# Altium PCB COEX PIX.pcbdoc (part 1 of 2) (continued)
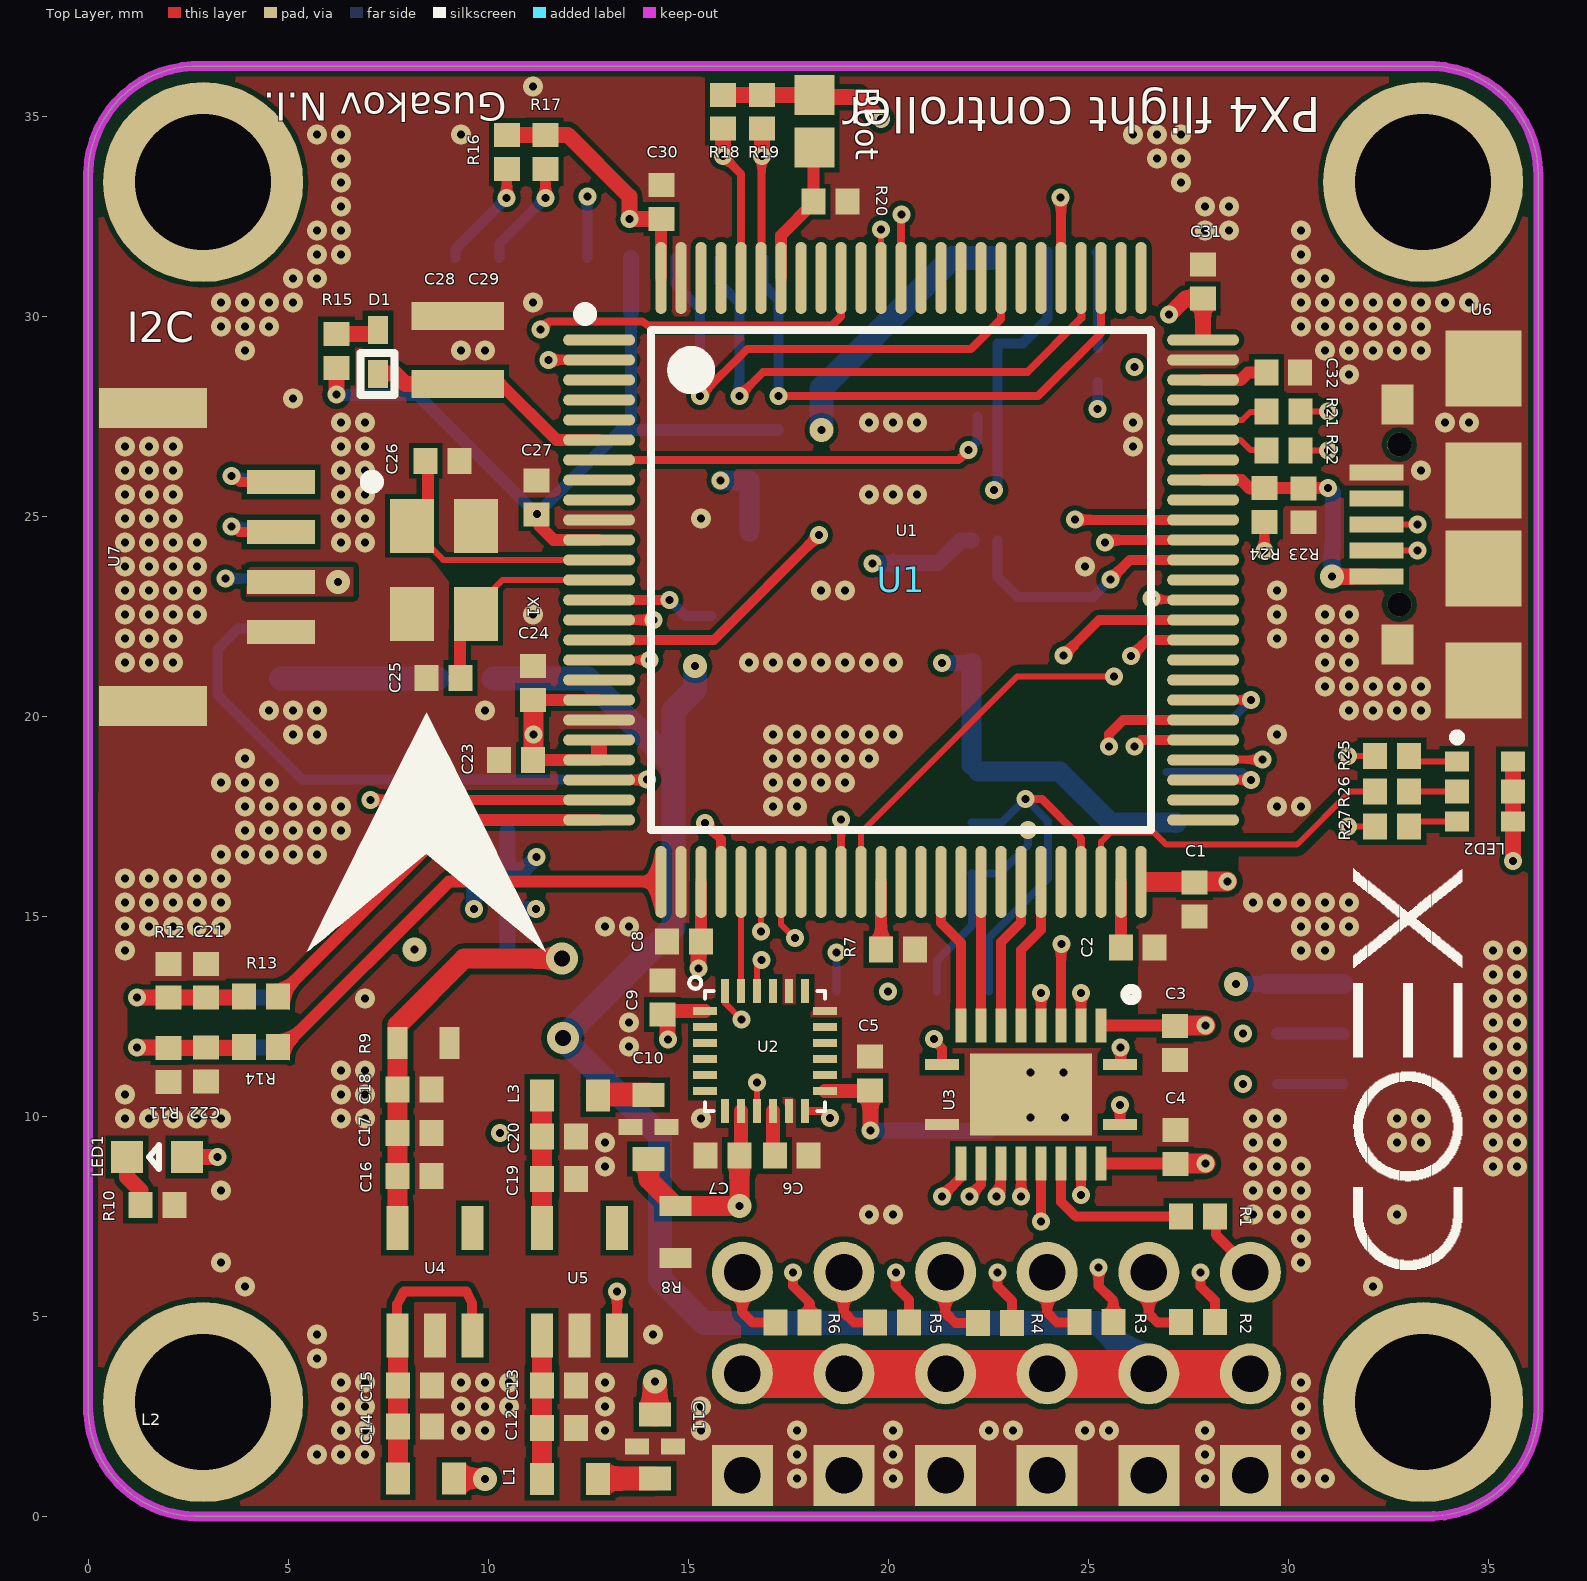
[diagram p0: Top Layer view]
## Components (designator, comment, footprint, x,y, rotation, side; value= is the part's Value field where it differs from the comment)
C1 "100nf" "0402 DOCSILK" 27.661,15.421 r90 top (schematic designator 0402)
C2 "10uf" "0402 DOCSILK" 26.243,14.225 r180 top (schematic designator 0402)
C3 "100nf" "0402 DOCSILK" 27.175,11.838 r270 top (schematic designator 0402)
C4 "100nf" "0402 DOCSILK" 27.183,9.236 r270 top (schematic designator 0402)
C5 "100nf" "0402 DOCSILK" 19.547,11.075 r90 top (schematic designator 0402)
C6 "100nf" "0402 DOCSILK" 17.592,9.024 r180 top (schematic designator 0402)
C7 "10nf" "0402 DOCSILK" 15.863,9.024 r180 top (schematic designator 0402)
C8 "100nf" "0402 DOCSILK" 14.894,14.369 r0 top (schematic designator 0402)
C9 "100nf" "0402 DOCSILK" 14.359,12.972 r90 top (schematic designator 0402)
C10 "NFM18" NFM18PC225B0J3#1 13.611,8.638 r90 top (schematic designator L6)
C11 "NFM18" NFM18PC225B0J3#2 14.571,2.85 r270 top (schematic designator L2)
C12 "10uf" "0402 DOCSILK" 11.772,2.213 r180 top (schematic designator 0402)
C13 "100nf" "0402 DOCSILK" 11.772,3.276 r180 top (schematic designator 0402)
C14 "10uf" "0402 DOCSILK" 8.169,2.252 r0 top (schematic designator 0402)
C15 "100nf" "0402 DOCSILK" 8.169,3.276 r0 top (schematic designator 0402)
C16 "100nf" "0402 DOCSILK" 8.163,8.511 r0 top (schematic designator 0402)
C17 "4.7uf" "0402 DOCSILK" 8.163,9.582 r0 top (schematic designator 0402)
C18 "10uf" "0402 DOCSILK" 8.163,10.67 r0 top (schematic designator 0402)
C19 "100nf" "0402 DOCSILK" 11.775,8.437 r180 top (schematic designator 0402)
C20 "10uf" "0402 DOCSILK" 11.775,9.493 r180 top (schematic designator 0402)
C21 "100nf" "0402 DOCSILK" 2.952,13.391 r90 top (schematic designator 0402)
C22 "100nf" "0402 DOCSILK" 2.952,11.298 r90 top (schematic designator 0402)
C23 "100nf" "0402 DOCSILK" 10.7,18.907 r0 top (schematic designator 0402)
C24 "100nf" "0402 DOCSILK" 11.125,20.83 r90 top (schematic designator 0402)
C25 "12pf" "0402 DOCSILK" 8.89,20.957 r180 top (schematic designator 0402)
C26 "12pf" "0402 DOCSILK" 8.866,26.391 r0 top (schematic designator 0402)
C27 "100nf" "0402 DOCSILK" 11.206,25.478 r270 top (schematic designator 0402)
C28 "47uf" 0805#1 8.685,29.063 r90 top (schematic designator 0805)
C29 "47uf" 0805#1 9.794,29.062 r90 top (schematic designator 0805)
C30 "100nf" "0402 DOCSILK" 14.337,32.863 r90 top (schematic designator 0402)
C31 "100nf" "0402 DOCSILK" 27.868,30.871 r90 top (schematic designator 0402)
C32 "10uf" "0402 DOCSILK" 29.88,28.596 r180 top (schematic designator 0402)
C33 "10uf" "0402 DOCSILK" 29.464,13.718 r270 bottom (schematic designator 0402)
C34 "100nf" "0402 DOCSILK" 22.525,9.208 r270 bottom (schematic designator 0402)
C35 "10uf" "0402 DOCSILK" 21.415,9.208 r270 bottom (schematic designator 0402)
C36 "47uf" 0805#2 9.845,8.95 r0 bottom (schematic designator 0805)
C37 "47uf" 0805#2 6.731,8.191 r270 bottom (schematic designator 0805)
C38 "47uf" 0805#2 6.731,5.093 r270 bottom (schematic designator 0805)
C39 "10uf" "0402 DOCSILK" 11.216,21.374 r270 bottom (schematic designator 0402)
C40 "100nf" "0402 DOCSILK" 7.515,20.522 r270 bottom (schematic designator 0402)
C41 "10uf" "0402 DOCSILK" 6.554,20.522 r270 bottom (schematic designator 0402)
C42 "100nf" "0402 DOCSILK" 13.158,29.976 r0 bottom (schematic designator 0402)
C43 "100nf" "0402 DOCSILK" 16.955,25.89 r180 bottom (schematic designator 0402)
C44 "100nf" "0402 DOCSILK" 20.495,23.407 r270 bottom (schematic designator 0402)
C45 "100nf" "0402 DOCSILK" 22.515,21.341 r180 bottom (schematic designator 0402)
C46 "10uf" "0402 DOCSILK" 31.541,24.293 r0 bottom (schematic designator 0402)
D1 "D-SOD523" D-SOD523 7.246,29.113 r0 top
D2 "SOD-323F DIODE" "SOD-323F DIODE" 10.733,11.319 r270 bottom (schematic designator U16)
D3 "SOD-323F DIODE" "SOD-323F DIODE" 8.162,13.115 r90 bottom (schematic designator U16)
L1 "MLZ1608 INDUCTOR 0603" "MLZ1608 INDUCTOR 0603" 12.048,0.939 r0 top (schematic designator MLZ1608_0603_IND)
L2 "MLZ1608 INDUCTOR 0603" "MLZ1608 INDUCTOR 0603" 8.447,0.95 r0 top (schematic designator MLZ1608_0603_IND)
L3 "MLZ1608 INDUCTOR 0603" "MLZ1608 INDUCTOR 0603" 12.051,10.527 r0 top (schematic designator MLZ1608_0603_IND)
L4 "MLZ1608 INDUCTOR 0603" "MLZ1608 INDUCTOR 0603" 9.433,20.947 r180 bottom (schematic designator MLZ1608_0603_IND)
L5 "10uh 1.5A" "MICROGATE MPIT4018" 11.808,7.598 r180 bottom (schematic designator L7)
LED1 "LED 0603" "LED 0603" 0.575,9.382 r0 top (schematic designator led0603)
LED2 "19-337/R6GHBHC-M01/2T" 19-337/R6GHBHC-M01/2T 34.925,18.127 r0 top (schematic designator U1)
R1 "220" "0402 DOCSILK" 27.751,7.498 r0 top (schematic designator 0402)
R2 "220" "0402 DOCSILK" 27.744,4.854 r0 top (schematic designator 0402)
R3 "220" "0402 DOCSILK" 25.21,4.854 r0 top (schematic designator 0402)
R4 "220" "0402 DOCSILK" 22.676,4.837 r0 top (schematic designator 0402)
R5 "220" "0402 DOCSILK" 20.1,4.845 r0 top (schematic designator 0402)
R6 "220" "0402 DOCSILK" 17.608,4.854 r0 top (schematic designator 0402)
R7 "10k" "0402 DOCSILK" 20.246,14.17 r0 top (schematic designator 0402)
R8 "220" "0603 RESISTOR SLIM" 14.629,7.162 r90 top (schematic designator 0603_res_slim)
R9 "220" "0603 RESISTOR SLIM" 8.439,11.882 r0 top (schematic designator 0603_res_slim)
R10 "220" "0402 DOCSILK" 1.734,7.789 r180 top (schematic designator 0402)
R11 "1m" "0402 DOCSILK" 2.006,11.29 r90 top (schematic designator 0402)
R12 "1m" "0402 DOCSILK" 2.006,13.391 r90 top (schematic designator 0402)
R13 "10k" "0402 DOCSILK" 4.326,13.003 r180 top (schematic designator 0402)
R14 "10k" "0402 DOCSILK" 4.326,11.74 r180 top (schematic designator 0402)
R15 "1k" "0402 DOCSILK" 6.207,29.133 r90 top (schematic designator 0402)
R16 "100k" "0402 DOCSILK" 10.475,34.111 r90 top (schematic designator 0402)
R17 "100k" "0402 DOCSILK" 11.44,34.111 r90 top (schematic designator 0402)
R18 "2.2k" "0402 DOCSILK" 15.876,35.117 r90 top (schematic designator 0402)
R19 "2.2k" "0402 DOCSILK" 16.851,35.117 r90 top (schematic designator 0402)
R20 "10k" "0402 DOCSILK" 18.557,32.867 r180 top (schematic designator 0402)
R21 "22" "0402 DOCSILK" 29.891,27.623 r180 top (schematic designator 0402)
R22 "22" "0402 DOCSILK" 29.885,26.649 r180 top (schematic designator 0402)
R23 "470" "0402 DOCSILK" 30.387,25.278 r270 top (schematic designator 0402)
R24 "10k" "0402 DOCSILK" 29.408,25.284 r270 top (schematic designator 0402)
R25 "100 ohm" "0402 DOCSILK" 32.595,19.011 r0 top (schematic designator 0402)
R26 "100 ohm" "0402 DOCSILK" 32.595,18.124 r0 top (schematic designator 0402)
R27 "100 ohm" "0402 DOCSILK" 32.595,17.246 r0 top (schematic designator 0402)
R28 "220" "0402 DOCSILK" 29.295,12.063 r0 bottom (schematic designator 0402)
R29 "220" "0402 DOCSILK" 29.297,10.806 r0 bottom (schematic designator 0402)
R30 "220" "0402 DOCSILK" 10.047,14.212 r180 bottom (schematic designator 0402)
R31 "220" "0402 DOCSILK" 10.072,15.189 r180 bottom (schematic designator 0402)
R32 "10k" "0402 DOCSILK" 10.056,16.163 r180 bottom (schematic designator 0402)
R33 "10k" "0402 DOCSILK" 10.072,17.136 r180 bottom (schematic designator 0402)
R34 "100k" "0402 DOCSILK" 15.298,27.581 r90 bottom (schematic designator 0402)
R35 "100k" "0402 DOCSILK" 16.271,27.581 r90 bottom (schematic designator 0402)
R36 "100k" "0402 DOCSILK" 17.25,27.584 r90 bottom (schematic designator 0402)
R37 "1.8k" "0402 DOCSILK" 22.313,29.329 r180 bottom (schematic designator 0402)
R38 "10k" "0402 DOCSILK" 25.244,28.787 r270 bottom (schematic designator 0402)
U1 "STM32F427VIT6" LQFP-100_14X14X05P 14.326,30.962 r0 top locked (schematic designator U2)
U2 "MPU9250" "MPU9250 LAYOUT" 15.428,10.14 r0 top locked (schematic designator U1)
U3 "VQFN-20-3.5X4.5MM" VQFN-20-3.5X4.5MM 23.574,10.547 r180 top (schematic designator U17)
U4 "LP5907" ? 8.471,5.817 r0 top locked (schematic designator sot23-5)
U5 "LP5907" ? 12.084,5.817 r0 top locked (schematic designator sot23-5)
U6 "MicroUSB" "MICRO USB CLOT 2" 32.881,23.292 r90 top locked (schematic designator U12)
U7 "JST GH 4pin" "JST GH 4 PIN"#1 2.978,25.807 r90 top locked (schematic designator U4)
U8 "JST GH 4pin" "JST GH 4 PIN"#1 33.229,13.249 r90 bottom locked (schematic designator U4)
U9 "JST GH 4pin" "JST GH 4 PIN"#2 22.787,33.305 r0 bottom locked (schematic designator U5)
U10 "JST GH 6 PIN" "JST GH 6 PIN"#1 3.978,27.497 r270 bottom locked (schematic designator U9)
U11 "JST GH 6 PIN" "JST GH 6 PIN"#2 3.981,15.766 r270 bottom locked (schematic designator U16)
U12 "Micro SD slot" "MICRO SD SLOT 0475710001" 1017.37,28.702 r180 bottom locked (schematic designator U15)
U13 "SOT23-3 SLIM" "SOT23-3 SLIM" 16.532,23.405 r180 bottom (schematic designator sot23-3)
U14 "VSSOP8" VSSOP8 22.987,25.946 r0 bottom (schematic designator U9)
U15 "FM25V02-GTR" SOIC8 24.557,17.982 r180 bottom locked (schematic designator U11)
U16 "MS5607-02BA03" MS5611 20.454,10.364 r90 bottom locked (schematic designator U6)
X1 "3225 CRYSTAL" "3225 CRYSTAL" 9.694,22.565 r0 top
? "" IMAGE 8.456,17.103 r0 top

## Footprints (in the part's own frame and the unit in brackets; to place one, negate y for a bottom-side part, rotate by r counter-clockwise, add the part's x,y. Pads: shape width x height; smd on the part's side, far side on the other; paste and mask are expansions set on the pad)
19-337/R6GHBHC-M01/2T [mm]
  rect 0.6x0.5 smd: 1(-0.7,0.75) 3(-0.7,-0.75) 4(0.7,0.75) 6(0.7,-0.75)
  rect 0.6x0.6 smd: 2(-0.7,0) 5(0.7,0)
  silkscreen extent -0.8,1.25 -0.6,1.45
"0402 DOCSILK" [mm]
  rect 0.6x0.65 smd: 1(-0.424,0) 2(0.424,0)
"0603 RESISTOR SLIM" [mm]
  rect 0.5x0.8 smd: 1(-0.7,-0.05) 2(0.598,-0.05)
0805#1 [mm]
  rect 0.7x1.2 smd: 1(-0.75,0) 2(0.95,0)
0805#2 [mm]
  rect 0.65x1.1 smd: 1(-0.75,0) 2(0.95,0)
"3225 CRYSTAL" [mm]
  rect 1.1x1.35 smd: 1(-1.6,2.2) 2(-1.6,0) 3(0,0) 4(0,2.2)
  silkscreen extent -2.75,3.15 -2.45,3.45
D-SOD523 [mm]
  rect 0.5x0.701 smd: 1(0,0.551) 2(0,-0.551)
  silkscreen extent -0.44,-1.07 0.41,-0.02
IMAGE [mm]
  silkscreen extent -2.98,-2.99 2.98,2.99
"JST GH 4 PIN"#1 [mm]
  rect 0.6x1.7 smd: 1(0.056,-1.84) 2(-1.194,-1.84) 3(-2.443,-1.84) 4(-3.694,-1.84)
  rect 1x2.7 smd: ""(-5.545,1.36) ""(1.905,1.36)
"JST GH 4 PIN"#2 [mm]
  rect 0.6x1.7 smd: 1(-0.056,1.84) 2(1.194,1.84) 3(2.444,1.84) 4(3.694,1.84)
  rect 1x2.7 smd: ""(-1.905,-1.361) ""(5.544,-1.361)
"JST GH 6 PIN"#1 [mm]
  rect 0.6x1.7 smd: 1(6.549,-0.85) 2(5.3,-0.85) 3(4.05,-0.85) 4(2.8,-0.85) 5(1.551,-0.85) 6(0.3,-0.85)
  rect 1x2.7 smd: ""(-1.551,2.351) ""(8.4,2.351)
"JST GH 6 PIN"#2 [mm]
  rect 0.6x1.7 smd: 1(6.549,-0.85) 2(5.3,-0.85) 3(4.049,-0.85) 4(2.799,-0.85) 5(1.549,-0.85) 6(0.3,-0.85)
  rect 1x2.7 smd: ""(-1.549,2.351) ""(8.4,2.351)
"LED 0603" [mm]
  rect 0.8x0.8 smd: 1(0.4,-0.4) 2(1.9,-0.4)
  silkscreen extent 0.95,-0.7 1.2,-0.1
LQFP-100_14X14X05P [mm]
  oval 1.8x0.28 smd: 1(-1.55,-1.55) 2(-1.55,-2.05) 3(-1.55,-2.55) 4(-1.55,-3.05) 5(-1.55,-3.55) 6(-1.55,-4.05) 7(-1.55,-4.55) 8(-1.55,-5.05) 9(-1.55,-5.55) 10(-1.55,-6.05) 11(-1.55,-6.55) 12(-1.55,-7.05) 13(-1.55,-7.55) 14(-1.55,-8.05) 15(-1.55,-8.55) 16(-1.55,-9.05) 17(-1.55,-9.55) 18(-1.55,-10.05) 19(-1.55,-10.55) 20(-1.55,-11.05) 21(-1.55,-11.55) 22(-1.55,-12.05) 23(-1.55,-12.55) 24(-1.55,-13.05) 25(-1.55,-13.55) 51(13.55,-13.55) 52(13.55,-13.05) 53(13.55,-12.55) 54(13.55,-12.05) 55(13.55,-11.55) 56(13.55,-11.05) 57(13.55,-10.55) 58(13.55,-10.05) 59(13.55,-9.55) 60(13.55,-9.05) 61(13.55,-8.55) 62(13.55,-8.05) 63(13.55,-7.55) 64(13.55,-7.05) 65(13.55,-6.55) 66(13.55,-6.05) 67(13.55,-5.55) 68(13.55,-5.05) 69(13.55,-4.55) 70(13.55,-4.05) 71(13.55,-3.55) 72(13.55,-3.05) 73(13.55,-2.55) 74(13.55,-2.05) 75(13.55,-1.55)
  oval 0.28x1.8 smd: 26(0,-15.1) 27(0.5,-15.1) 28(1,-15.1) 29(1.5,-15.1) 30(2,-15.1) 31(2.5,-15.1) 32(3,-15.1) 33(3.5,-15.1) 34(4,-15.1) 35(4.5,-15.1) 36(5,-15.1) 37(5.5,-15.1) 38(6,-15.1) 39(6.5,-15.1) 40(7,-15.1) 41(7.5,-15.1) 42(8,-15.1) 43(8.5,-15.1) 44(9,-15.1) 45(9.5,-15.1) 46(10,-15.1) 47(10.5,-15.1) 48(11,-15.1) 49(11.5,-15.1) 50(12,-15.1) 76(12,0) 77(11.5,0) 78(11,0) 79(10.5,0) 80(10,0) 81(9.5,0) 82(9,0) 83(8.5,0) 84(8,0) 85(7.5,0) 86(7,0) 87(6.5,0) 88(6,0) 89(5.5,0) 90(5,0) 91(4.5,0) 92(4,0) 93(3.5,0) 94(3,0) 95(2.5,0) 96(2,0) 97(1.5,0) 98(1,0) 99(0.5,0) 100(0,0)
  silkscreen extent -2.05,-13.8 12.25,-0.75
"MICRO SD SLOT 0475710001" [mm]
  rect 0.7x1 smd: 1(1000.49,2.758) 2(1001.59,2.758) 3(1002.69,2.758) 4(1003.791,2.758) 5(1004.891,2.758) 6(1005.99,2.758) 7(1007.091,2.757) 8(1008.19,2.758)
  rect 1.15x1.2 smd: 9(1009.283,3.805) 10(1009.283,6.394)
  rect 1.4x0.9 smd: 11(998.859,6.544)
  rect 1x0.7 smd: 12(998.66,5.396)
  rect 1.45x1.4 smd: 13(998.885,4.148)
"MICRO USB CLOT 2" [mm]
  rect 1.9x1.9 smd: 1(-2.395,-2.004) 1(0.401,-2.002) 1(2.601,-2.002) 1(5.405,-2.004)
  rect 1x0.8 smd: 1(-1.499,0.149) 1(4.503,0.146)
  rect 0.4x1.35 smd: 1(0.199,0.674) 2(0.85,0.674) 3(1.5,0.674) 4(2.15,0.674) 5(2.8,0.674)
  round 0.6 hole 0.6: 6(-0.495,0.098) 6(3.503,0.1)
"MICROGATE MPIT4018" [mm]
  rect 1.1x3.3 smd: 1(0.299,-1.5) 2(3.299,-1.5)
  silkscreen extent -0.5,-3.5 4.1,0.5
"MLZ1608 INDUCTOR 0603" [mm]
  rect 0.6x0.8 smd: 1(-0.7,0) 2(0.7,0)
"MPU9250 LAYOUT" [mm]
  rect 0.599x0.2 smd paste+0 mask+0.05: 1(0,2.501) 2(0,2.099) 3(0,1.701) 4(0,1.299) 5(0,0.9) 6(0,0.499) 13(2.99,0.499) 14(2.99,0.9) 15(2.99,1.299) 16(2.99,1.701) 17(2.99,2.099)
  rect 0.2x0.599 smd paste+0 mask+0.05: 7(0.5,0) 8(0.9,0) 9(1.299,0) 10(1.701,0) 11(2.099,0) 12(2.501,0) 19(2.501,2.99) 20(2.099,2.99) 21(1.701,2.99) 22(1.299,2.99) 23(0.9,2.99) 24(0.499,2.99)
  rect 0.599x0.2 smd mask+0.05: 18(2.99,2.501)
  silkscreen extent -0.4,0 2.99,3.35
MS5611 [mm]
  rect 1.1x0.599 smd: 1(0.552,2.065) 2(0.552,0.77) 3(0.552,-0.45) 4(0.552,-1.745) 5(2.762,-1.745) 6(2.762,-0.45) 7(2.762,0.77) 8(2.762,2.065)
  silkscreen extent -0.27,2.53 -0.13,2.67
NFM18PC225B0J3#1 [mm]
  rect 0.6x0.8 smd: 1(0.3,-0.4) 3(1.9,-0.4)
  rect 0.4x0.6 smd: 2(1.1,0.05) 2(1.102,-0.852)
NFM18PC225B0J3#2 [mm]
  rect 0.6x0.8 smd: 1(0.3,-0.401) 3(1.899,-0.401)
  rect 0.4x0.6 smd: 2(1.099,0.049) 2(1.102,-0.853)
"SOD-323F DIODE" [mm]
  rect 0.8x0.82 smd: 1(1.051,-0.001) 2(-1.051,0.001)
  silkscreen extent -0.25,-0.45 0.2,0.45
SOIC8 [mm]
  rect 1.8x0.55 smd: 1(-2.464,1.905) 2(-2.464,0.635) 3(-2.464,-0.635) 4(-2.464,-1.905) 5(2.464,-1.905) 6(2.464,-0.635) 7(2.464,0.635) 8(2.464,1.905)
  silkscreen extent -2.7,2.6 -2.3,3
"SOT23-3 SLIM" [mil]
  rect 31.5x39.37 smd: 1(-37,-34.76) 2(37,-34.76) 3(0,47.24)
VQFN-20-3.5X4.5MM [mm]
  rect 0.85x0.28 smd: 1(-2.225,-0.75) 10(2.225,-0.75) 11(2.225,0.75) 20(-2.225,0.75)
  rect 0.28x0.85 smd: 2(-1.75,-1.725) 3(-1.25,-1.725) 4(-0.75,-1.725) 5(-0.25,-1.725) 6(0.25,-1.725) 7(0.75,-1.725) 8(1.25,-1.725) 9(1.75,-1.725) 12(1.75,1.725) 13(1.25,1.725) 14(0.75,1.725) 15(0.25,1.725) 16(-0.25,1.725) 17(-0.75,1.725) 18(-1.25,1.725) 19(-1.75,1.725)
  rect 3.05x2.05 smd: 21(0,0)
  silkscreen extent -2.64,-2.64 -2.36,-2.36
VSSOP8 [mm]
  rect 0.25x0.9 smd: 1(-0.75,-1.55) 2(-0.25,-1.55) 3(0.25,-1.55) 4(0.75,-1.55) 5(0.75,1.55) 6(0.25,1.55) 7(-0.25,1.55) 8(-0.75,1.55)
  silkscreen extent -0.86,-0.66 -0.64,-0.44
? [mm]
  rect 0.55x1.1 smd: 1(-0.737,-1.295) 2(0.203,-1.295) 3(1.143,-1.295) 4(1.143,1.397) 5(-0.737,1.397)

## Part data
C25 C26: "https://lcsc.com/product-detail/Multilayer-Ceramic-Capacitors-MLCC-SMD-SMT_muRata_GRM1555C1H120JA01D_12pF-120-5-50V_C76948.html"
C28 C29 C36 C37 C38: "https://lcsc.com/product-detail/Multilayer-Ceramic-Capacitors-MLCC-SMD-SMT_TAIYO-YUDEN_JMK212BJ476MG-T_47uF-476-20-6-3V_C87159.html"
D1: "https://lcsc.com/product-detail/Others_SK-MSK4005_C345957.html"
D2 D3: "https://lcsc.com/product-detail/Schottky-Barrier-Diodes-SBD_SGP0230SD_C110406.html"
L1 L2 L3 L4: "https://lcsc.com/product-detail/Inductors-SMD_TDK_MLZ1608M4R7WT000_TDK-MLZ1608M4R7WT000_C76799.html"
L5: "https://lcsc.com/product-detail/Power-Inductors_Sunlord-SWPA4030S100MT_C38117.html"
LED1: "https://lcsc.com/product-detail/Light-Emitting-Diodes-LED_SMD-green_C125102.html"
LED2: "https://lcsc.com/product-detail/Light-Emitting-Diodes-LED_Everlight-Elec-19-337-R6GHBHC-M01-2T_C131204.html"
U1: "https://lcsc.com/product-detail/ST-Microelectronics_STMicroelectronics_STM32F427VIT6_STM32F427VIT6_C57097.html"
U3: "https://lcsc.com/product-detail/Logic-ICs_Texas-Instruments_TXS0108ERGYR_Texas-Instruments-TI-TXS0108ERGYR_C90706.html"
U4 U5: "https://lcsc.com/product-detail/Linear-Voltage-Regulators_TI_LP5907MFX-3-3-NOPB_LP5907MFX-3-3-NOPB_C80670.html"
U6: "https://www.aliexpress.com/item/100PCS-Micro-USB-5P-5-Pin-SMD-SMT-Micro-USB-Jack-5Pins-Micro-USB-Connector-Tail/32709649041.html?spm=a2g0s.9042311.0.0.27424c4dt0AqOb"
U8 U10 U11: "https://www.aliexpress.com/item/10PCS-LOT-GH-1-25mm-lying-with-lock-connector-2P3P4P5P6P8P-SMT-SMT-JST-A1257/33001156672.html?spm=2114.search0604.3.80.673d15e10s5uD6&ws_ab_test=searchweb0_0,searchweb201602_10_10065_10068_319_317_10696_453_10084_454_10083_10618_10307_10301_537_536_10059_10884_10889_10887_321_322_10915_10103_10914_10911_10910,searchweb201603_6,ppcSwitch_0&algo_expid=5b7bc53c-89d8-4c4f-b0b2-79ed35249c45-12&algo_pvid=5b7bc53c-89d8-4c4f-b0b2-79ed35249c45&transAbTest=ae803_3"
U12: "https://www.aliexpress.com/item/10PCS-LOT-Short-TF-card-mini-MICRO-SD-with-detection-pin-memory-slot-plug-in-Connector/32842038620.html?spm=a2g0s.9042311.0.0.27424c4dSFr3pw"
U13: "https://lcsc.com/product-detail/Microprocessor-Microcontroller-Supervisors_SGM809-SXN3L-TR_C49651.html"
U15: "https://www.aliexpress.com/item/FM25V02-GTR-FM25V02-SOP8/32598207705.html?spm=a2g0s.9042311.0.0.27424c4dnE2RmD"
U16: "https://www.digikey.com/product-detail/en/te-connectivity-measurement-specialties/MS560702BA03-50/223-1198-1-ND/4700921"
X1: "https://lcsc.com/product-detail/SMD-Crystals_SHENZHEN-CRYSTAL-TECH-7U24000E12UCG_C251612.html"

## Free pads (board coordinates)
  round 1.524 hole 0.914: 1(16.358,6.105) 2(18.898,6.105) 3(21.438,6.105) 4(23.978,6.105) 5(26.518,6.105) 6(29.058,6.105) 7(29.058,3.565) 8(26.518,3.565) 9(23.978,3.565) 10(21.438,3.565) 11(18.898,3.565) 12(16.358,3.565)
  round 5 hole 3.4: 1(33.376,2.856) 2(33.376,33.357) 3(2.876,33.357) 4(2.876,2.856)
  rect 1.524x1.524 hole 0.914: 13(29.058,1.024) 14(26.518,1.024) 15(23.978,1.024) 16(21.438,1.024) 17(18.898,1.024) 18(16.358,1.024)
  rect 1.4x3.8 smd far side: 430(7.96,33.808)
  rect 1x1 smd: ""(18.159,34.224) ""(18.159,35.54)

## Via types
v1: diameter 0.5, hole 0.2, Top Layer to Bottom Layer, tented both sides, 327 vias
v2: diameter 0.45, hole 0.2, Top Layer to Bottom Layer, tented both sides, 93 vias
v3: diameter 0.6, hole 0.2, Top Layer to Bottom Layer, tented both sides, 8 vias
v4: diameter 0.45, hole 0.2, Top Layer to Bottom Layer, tented top, 7 vias
v5: diameter 0.6, hole 0.2, Top Layer to Bottom Layer, tented bottom, 4 vias
v6: diameter 0.8, hole 0.4, Top Layer to Bottom Layer, tented both sides, 2 vias
v7: diameter 0.6, hole 0.2, Top Layer to Bottom Layer, tented top, 1 vias
v8: diameter 0.45, hole 0.2, Top Layer to Bottom Layer, tented bottom, 1 vias

## Nets (pads, with @x,y where several pads share a name; then routed paths per layer and width w, separated by ;. In a path a pad name is that pad's centre, name@x,y a point inside that pad or via, vN(x,y) a via of type N, cw(c..) or ccw(c..) an arc to the next point about the centre after c; other vN are vias at no path point)
"3.3V MAIN": C1.2 C3.1 C4.2 C8.2 C16.1 C17.1 C18.1 C23.2 C24.1 C27.2 C30.1 C31.1 C42.2 C43.2 C44.1 C45.2 D1.1 LED2.4 LED2.5 LED2.6 pad.@18.159,35.54 R9.1 R15.1 R15.2 R16.2 R17.2 R18.2 R19.2 R34.1 R35.1 R36.1 U1.11 U1.19 U1.21 U1.22 U1.28 U1.50 U1.75 U1.100 U3.2 U3.19 U4.5 U12.4 U13.3 U14.8 U15.3 U15.7 U15.8 | length 177.6
  Top Layer w0.3: R15.1@6.207,28.708 R15.1@6.213,28.702 ; D1.1@7.221,29.564 D1.1@7.26,29.604 ; C23.2@11.126,18.911 U1.22@12.775,18.911 ; C24.1@11.126,20.412 U1.19@12.776,20.412 ; C27.2@11.284,24.764 11.637,24.412 U1.11@12.776,24.412 ; U1.100@14.326,30.961 C30.1@14.326,32.434 ; C8.2@15.321,14.368 U1.28@15.321,15.857 ; U3.2@25.355,12.268 C3.1@27.178,12.268 ; U3.19@25.382,8.818 C4.2@27.178,8.818
  Top Layer w0.4: v2(6.213,28.041) R15.1@6.213,28.702 ; R15.2@6.213,29.564 D1.1@7.221,29.564 ; R16.2@10.465,34.537 11.987,34.537 13.536,32.996 v2(13.536,32.434) C30.1@14.326,32.434 ; U1.21@12.776,19.283 U1.22@12.777,19.016 ; v2(15.263,13.704) 15.263,14.026 15.267,14.03 15.267,14.313 C8.2@15.321,14.368 ; R18.2@15.873,35.54 pad.@18.159,35.54 18.219,35.48 19.259,35.48 19.809,34.93 v2(19.823,34.93) ; v2(27.021,30.053) 27.043,30.053 27.44,30.45 27.872,30.45 U1.75@27.872,29.487 ; C1.2@27.661,15.863 27.666,15.858 C1.2@27.676,15.868 ; v2(35.625,16.385) LED2.6@35.625,17.377 LED2.5@35.625,18.127 LED2.4@35.625,18.877
  Top Layer w0.5: U4.5@7.735,7.214 7.735,8.507 C16.1@7.739,8.511 C17.1@7.739,9.582 C18.1@7.739,10.67 R9.1@7.739,11.832 7.739,12.281 9.4,13.942 v6(11.845,13.942) ; C23.2@11.126,18.911 11.136,18.921 v2(11.136,19.545) 11.136,20.401 C24.1@11.126,20.412 ; U1.50@26.452,15.863 C1.2@27.661,15.863 ; C4.2@27.178,8.818 v2(27.94,8.818) ; C3.1@27.178,12.268 v2(27.94,12.268) ; C1.2@27.676,15.868 v2(28.48,15.867)
  Mid-Layer 1 w0.5: v2(26.157,28.733) 28.479,26.411 28.479,17.701 ; v2(27.94,8.818) v2(27.94,12.268) 27.94,15.308 v2@28.486,15.854 ; v2(28.48,15.867) 28.479,17.701 ; v2(35.625,16.385) 29.795,16.385 28.479,17.701
  Mid-Layer 2 w0.3: v2(19.823,34.93) 24.427,34.93 27.021,32.336 27.021,30.059 v2@27.01,30.047
  Mid-Layer 2 w0.5: v2(11.136,19.545) 11.852,18.829 ; v8(11.217,25.057) 11.852,24.422 ; v6(11.845,13.942) v6@11.852,13.942 ; 11.852,22.484 15.266,25.898 v2(15.813,25.898) ; 11.852,23.97 11.852,21.098 ; 11.852,24.003 11.852,24.422 ; v2(13.536,32.434) 13.531,32.428 13.531,28.733 ; v2(15.263,13.704) 15.024,13.942 v6@11.852,13.942 ; v2(19.609,23.825) 14.58,23.826 11.852,21.098 ; v2(21.35,21.338) 20.461,20.449 14.696,20.449 11.852,17.605 ; v2(27.021,30.053) 27.023,30.051 27.023,29.599 v2(26.157,28.733) 13.531,28.733 ; v6@11.852,13.942 11.852,17.605 ; 11.852,17.605 11.852,18.829 ; 11.852,18.829 11.852,21.098 ; 11.852,24.422 11.852,27.051 13.531,28.733
  Bottom Layer w0.3: v2@6.221,28.034 8.24,28.034 v8(11.217,25.057) 13.315,27.156 ; C42.2@13.579,29.977 13.579,27.42 13.315,27.156 ; R36.1@17.25,27.156 13.315,27.156 ; U15.7@22.088,18.78 U15.7@22.251,18.618
  Bottom Layer w0.4: C42.2@13.579,30.115 U12.4@13.579,31.461 ; v2(19.609,23.825) 19.614,23.829 20.487,23.829 20.492,23.834 C44.1@20.495,23.831 21.246,23.831 21.811,24.397 22.088,24.397 ; v2(21.35,21.338) C45.2@22.088,21.338
  Bottom Layer w0.5: v2(15.813,25.898) 16.525,25.898 C43.2@16.531,25.89 U13.3@16.531,24.615 ; U15.7@22.088,18.78 C45.2@22.088,21.338 ; U15.7@22.251,18.618 24.294,18.618 25.561,17.351 27.194,17.351 U15.3@27.209,17.336
"3.3V SENS.": C5.1 C7.1 C9.1 C10.1 C10.3 C19.2 C20.2 C34.1 C35.1 L3.1 L3.2 R8.2 U2.1 U2.8 U2.13 U3.10 U5.5 U16.1 | length 30.9
  Top Layer w0.25: v2(21.144,11.932) 21.144,11.906 21.35,11.7 U3.10@21.35,11.293
  Top Layer w0.35: C9.1@14.459,12.641 U2.1@15.428,12.641 ; C7.1@16.329,9.064 U2.8@16.329,10.14 ; U2.13@18.418,10.64 C5.1@19.543,10.64
  Top Layer w0.4: C9.1@14.459,12.641 14.364,12.546 14.389,12.546 14.489,12.446 14.489,11.944 14.501,11.932 v2(14.501,11.918) ; C5.1@19.543,10.64 19.553,10.651 19.556,10.648 v2(19.556,9.652)
  Top Layer w0.5: L3.1@11.33,10.547 L3.1@11.35,10.527 C20.2@11.35,9.493 C19.2@11.35,8.437 11.348,8.435 U5.5@11.348,7.214 ; C10.3@14.005,10.543 C10.3@14.011,10.538 ; C10.1@14.011,8.937 14.011,8.428 R8.2@14.679,7.76 16.277,7.76 v3(16.284,7.765) 16.284,9.017 16.282,9.017 C7.1@16.329,9.064
  Top Layer w0.6: L3.2@12.745,10.543 C10.3@14.005,10.543
  Mid-Layer 2 w0.4: v2@14.501,11.925 14.505,11.921 14.505,11.918 14.502,9.551 v3(16.284,7.765) 17.671,7.765 v2(19.556,9.652) ; v2(19.556,9.652) 19.556,10.344 v2(21.144,11.932)
  Bottom Layer w0.4: v2(19.556,9.652) 21.639,9.652 21.652,9.639 22.504,9.639 22.519,9.654 U16.1@22.519,10.916
"5V input": C36.2 C37.2 C38.1 D2.1 L5.1 L5.2 R31.2 R32.2 U1.68 U11.1 U11.2 | length 6.9
  Mid-Layer 1 w0.3: v4(9.647,15.186) 10.293,14.54 v2(10.293,9.582)
  Bottom Layer w0.3: R32.2@9.632,16.163 R32.2@9.648,16.147
  Bottom Layer w0.4: R31.2@9.648,15.189 R32.2@9.648,16.147
"5V MAIN": C11.1 C11.3 C12.2 C13.2 C14.1 C15.1 C33.2 C39.2 C40.1 C41.1 D2.2 D3.2 L1.1 L1.2 L2.1 L2.2 L4.1 L4.2 LED1.1 LED1.2 pad.7 pad.8 pad.9 pad.10 pad.11 pad.12 R10.2 U4.1 U4.3 U5.1 U7.3 U8.1 U9.1 U10.1 | length 121.9
  Top Layer w0.25: U4.1@7.727,4.575 7.727,5.312 7.9,5.624 9.454,5.624 9.604,5.334 U4.3@9.607,4.575
  Top Layer w0.3: L1.2@12.767,0.939 L1.2@12.773,0.945 ; C11.3@14.164,0.945 C11.3@14.17,0.95
  Top Layer w0.4: LED1.1@0.978,8.981 0.978,8.482 1.307,8.153 1.307,7.769 R10.2@1.303,7.765 ; LED1.2@2.478,8.981 v2(3.236,8.981) ; U4.1@7.73,4.575 U4.1@7.745,4.56 ; L2.2@9.134,0.95 L2.2@9.139,0.945 ; v3@9.908,0.95 v3(9.92,0.939)
  Top Layer w0.5: U4.1@7.727,4.575 7.744,4.558 C15.1@7.744,3.276 C14.1@7.745,2.252 7.747,2.25 L2.1@7.747,0.95 ; L2.2@9.147,0.95 v3@9.908,0.95 ; L1.1@11.348,0.939 C12.2@11.348,2.213 C13.2@11.348,3.276 U5.1@11.348,4.522
  Top Layer w0.6: L1.2@12.773,0.945 C11.3@14.164,0.945 ; C11.1@14.17,2.549 v3(14.17,3.366)
  Top Layer w1.2: pad.12@16.358,3.565 pad.11@18.898,3.565 pad.10@21.438,3.565 pad.9@23.978,3.565 pad.8@26.518,3.565 ; pad.8@26.518,3.565 pad.7@29.058,3.565
  Mid-Layer 1 w0.6: v3(15.178,21.26) 15.178,22.528 18.337,25.687 v3(18.337,27.156) ; v3(28.702,13.305) 31.025,10.983 31.025,5.532 pad.7@29.058,3.565
  Mid-Layer 2 w0.3: v2(3.236,8.981) 6.211,11.956 v6(11.867,11.956)
  Mid-Layer 2 w0.6: v3(9.92,0.939) 11.867,2.886 v6(11.867,11.956) ; 11.907,5.63 v3(14.17,3.366)
  Bottom Layer w0.4: v3(28.702,13.305) C33.2@29.464,13.305
  Bottom Layer w0.5: C33.2@29.464,13.305 U8.1@31.388,13.305
  Bottom Layer w0.6: U10.1@4.828,20.948 6.557,20.948 L4.2@8.733,20.947 ; L4.1@10.133,20.947 11.216,20.948 12.487,20.948 14.63,18.805 ; v3(15.178,21.26) 15.178,20.684 14.63,20.136 14.63,14.718 v6(11.867,11.956) 14.293,9.53 14.293,5.947 15.401,4.838 25.244,4.838 pad.8@26.518,3.565 ; v3(18.337,27.156) 18.337,28.193 21.609,31.465 U9.1@22.579,31.465
  other v3: 6.246,23.363
"5V USB": C46.1 D3.1 R23.1 R24.1 U6.1@32.206,23.492 | length 56.7
  Top Layer w0.3: 27.874,25.911 28.832,25.911 29.048,25.695 29.398,25.695 29.409,25.705 31.001,25.705 v2(31,25.71)
  Top Layer w0.4: v3(31.097,23.501) 31.105,23.493 U6.1@32.18,23.493
  Mid-Layer 2 w0.4: v7@8.152,14.168 8.152,31.763 12.076,35.685 27.242,35.67 27.288,35.67 29.617,33.34 29.617,26.711 30.618,25.71 v2(31,25.71)
  Bottom Layer w0.4: v2(31,25.71) 31.118,25.593 31.118,24.29 31.098,24.27 v3(31.097,23.501)
  other v7: 8.161,14.168
$BoardOutlineNet: 
Blue: LED2.1 R25.2 | length 1.3
  Top Layer w0.15: R25.2@33.019,19.011 33.154,18.876 LED2.1@34.225,18.876
C1_2: 
C12_1: 
C15_2: C6.2 U2.10 | length 1.1
  Top Layer w0.2: C6.2@17.128,9.058 C6.2@17.166,9.017
  Top Layer w0.35: C6.2@17.128,9.058 U2.10@17.129,10.14
C24_1: 
C25_1: 
CH1: pad.1@16.358,6.105 R6.1 R6.2 U1.45 U3.6 U3.15 | length 15.4
  Top Layer w0.25: pad.1@16.358,6.105 16.355,6.101 16.355,5.097 16.608,4.847 R6.1@17.189,4.847 ; v2(17.623,6.098) 17.623,5.761 18.037,5.347 R6.2@18.037,4.847 ; v2(23.326,8.003) U3.15@23.326,8.818 ; U3.6@23.326,12.268 23.326,14.161 23.826,14.661 U1.45@23.826,15.862
  Mid-Layer 1 w0.25: v2(17.623,6.098) 17.623,6.733 19.528,8.638 22.747,8.638 23.326,8.06 v2(23.326,8.003)
CH2: pad.2@18.898,6.105 R5.1 R5.2 U1.44 U3.7 U3.14 | length 11.7
  Top Layer w0.25: pad.2@18.898,6.105 18.89,6.099 18.89,5.106 19.145,4.849 R5.1@19.68,4.849 ; v2(20.193,6.098) 20.193,5.746 20.529,5.411 R5.2@20.529,4.849 ; v2(22.707,8.003) 22.822,8.118 U3.14@22.822,8.861 ; U3.7@22.825,12.268 22.825,14.354 23.326,14.855 U1.44@23.326,15.862
  Mid-Layer 1 w0.25: v2(20.193,6.098) 20.193,6.761 20.801,7.368 22.072,7.368 v2(22.707,8.003)
CH3: pad.3@21.438,6.105 R4.1 R4.2 U1.42 U3.8 U3.13 | length 10.1
  Top Layer w0.25: pad.3@21.438,6.105 21.43,6.099 21.43,5.092 21.689,4.837 R4.1@22.252,4.837 ; v2(22.032,8.003) 22.326,8.296 U3.13@22.326,8.818 ; U3.8@22.326,12.268 U1.42@22.326,15.862 ; v2(22.733,6.098) 22.733,5.756 23.099,5.39 R4.2@23.1,4.837
  Mid-Layer 2 w0.25: v2(22.032,8.003) 22.032,7.429 22.733,6.728 v2(22.733,6.098)